# Altium PCB MU_MP_39_V1.PcbDoc (part 6 of 15)
Units mm, origin at the board's own origin, x right, y up, seen from the top; angles counter-clockwise.
Board outline 133 x 94 mm, 8 copper layers (Top Layer, GND_1, POWER_1, POWER_2, GND_2, Inner_Layer, GND_3, Bottom Layer), stack 1.468 mm thick; 934 components, 729 nets, 4006 pads, 2645 vias.
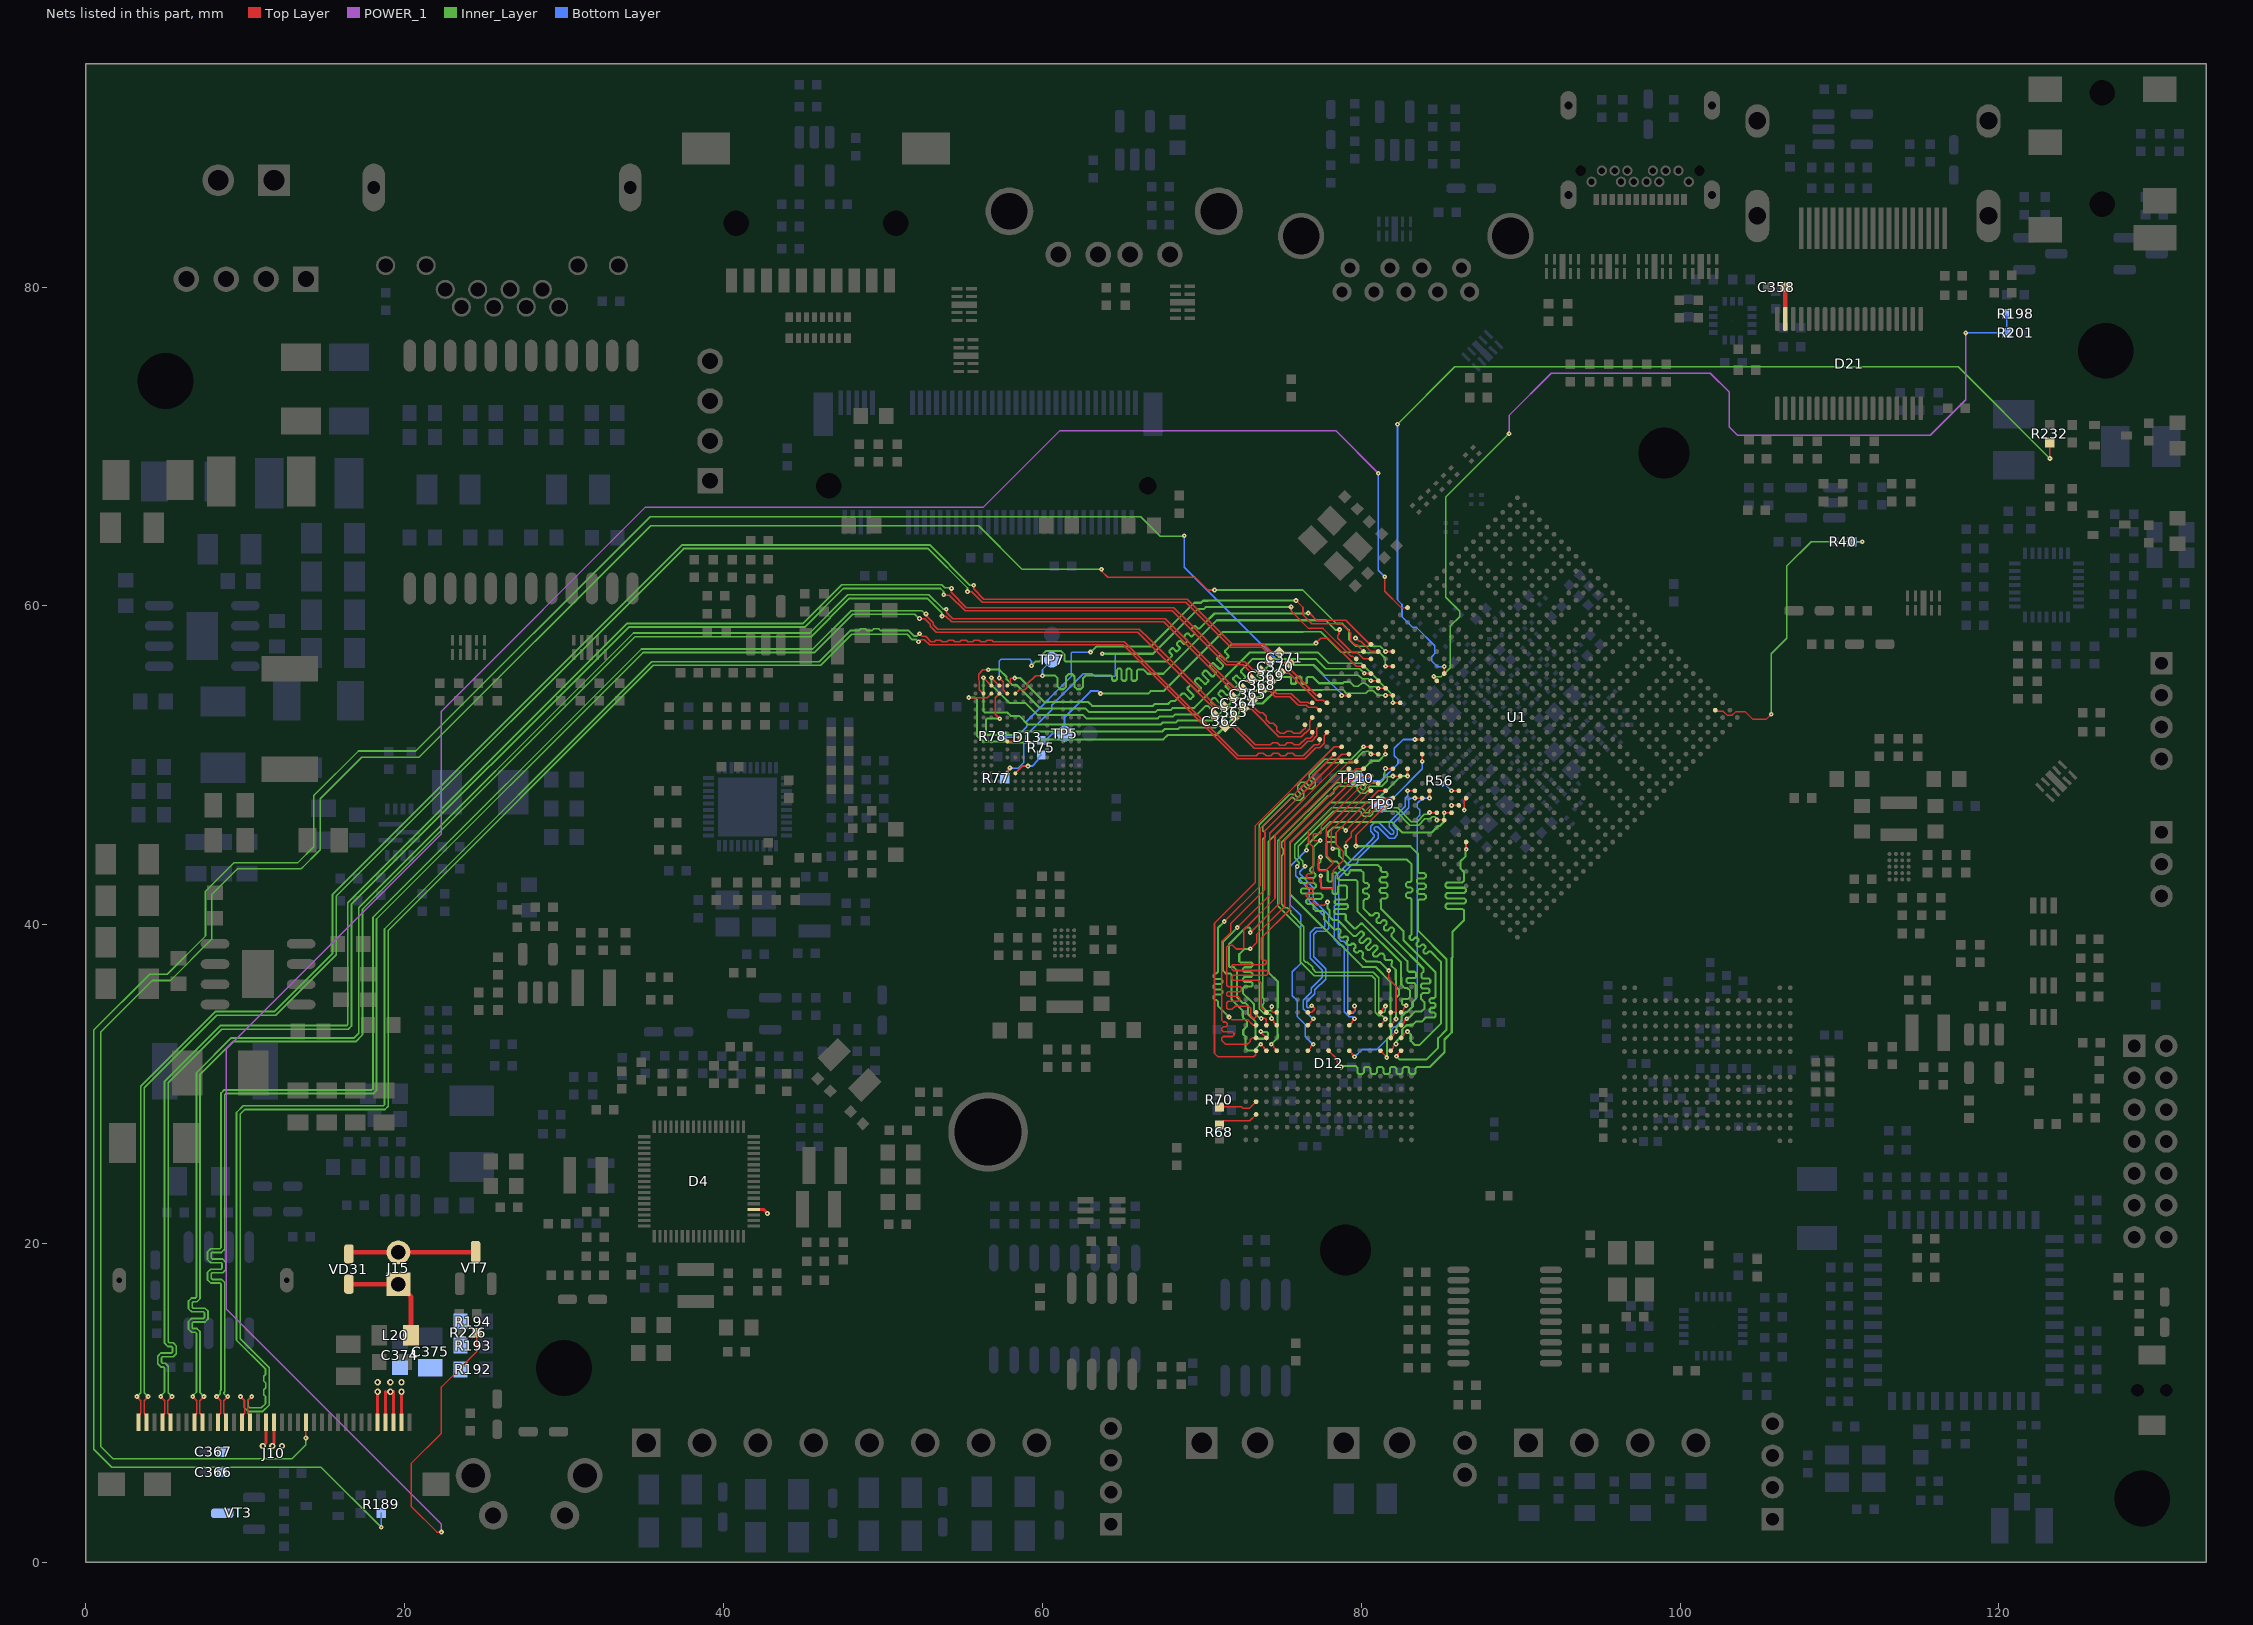
[diagram p12: the nets of this part, all layers, seen from the top]

## Via types
v1: diameter 0.3, hole 0.1, Top Layer to Bottom Layer, tented both sides, 1670 vias
v2: diameter 0.4, hole 0.2, Top Layer to Bottom Layer, tented both sides, 843 vias
v3: diameter 0.6, hole 0.3, Top Layer to Bottom Layer, tented both sides, 132 vias

## Nets (pads, with @x,y where several pads share a name; then routed paths per layer and width w, separated by ;. In a path a pad name is that pad's centre, name@x,y a point inside that pad or via, vN(x,y) a via of type N, cw(c..) or ccw(c..) an arc to the next point about the centre after c; other vN are vias at no path point) (continued)
DDR1_D16: D12.T8 U1.A19 | length 26.5
  Top Layer w0.1: v1(79.666,44.932) 79.675,44.941 79.675,45.618 81.527,47.47 U1.A19@81.527,47.485 ; v1@82.22,31.745 v1(82.205,31.745) 82.205,31.755 82.325,31.875 82.325,31.925 82.501,32.101 D12.T8@82.504,32.101
  Inner_Layer w0.13: v1@79.672,44.925 83.075,44.925 83.549,44.451 83.549,43.4 83.549,43.335 83.648,43.236 83.956,43.236 84.055,43.137 84.055,43.005 83.956,42.906 83.589,42.906 83.49,42.807 83.49,42.675 83.589,42.576 83.956,42.576 84.055,42.477 84.055,42.345 83.956,42.246 83.637,42.246 83.538,42.147 83.538,42.015 83.637,41.916 83.956,41.916 84.055,41.817 84.055,41.685 83.956,41.586 83.648,41.586 83.549,41.487 83.549,41.25 83.549,39.642 85.35,37.841 85.35,33.412 84.822,32.883 84.822,32.274 84.089,31.541 82.409,31.541 v1(82.205,31.745)
DDR1_D17: D12.T9 U1.B19 | length 26.6
  Top Layer w0.1: v1(79.047,44.903) 79.03,44.92 79.03,45.177 79.375,45.521 79.375,45.801 80.678,47.104 80.679,47.104 81.387,47.812 81.52,47.944 U1.B19@81.986,47.944 ; D12.T9@82.504,32.901 82.516,32.901 82.675,33.06 82.675,33.121 82.765,33.212 ; 82.766,33.212 82.851,33.297 v1(82.905,33.297)
  Inner_Layer w0.13: v1(79.047,44.903) 79.03,44.886 79.03,44.383 79.333,44.08 81.186,44.08 82.87,44.08 83.16,43.789 83.16,43.375 83.16,42.774 83.061,42.675 82.898,42.675 82.799,42.576 82.799,42.444 82.898,42.345 83.109,42.345 83.208,42.246 83.208,42.114 83.109,42.015 82.898,42.015 82.799,41.916 82.799,41.784 82.898,41.685 83.061,41.685 83.16,41.586 83.16,41.521 83.16,39.397 83.044,39.281 83.044,39.131 83.122,39.054 83.248,39.054 83.376,39.181 83.502,39.181 83.591,39.092 83.591,38.966 83.463,38.838 83.463,38.712 83.553,38.623 83.679,38.623 83.807,38.75 83.933,38.75 84.022,38.661 84.022,38.535 83.894,38.407 83.894,38.281 83.984,38.191 84.11,38.191 84.238,38.319 84.364,38.319 85,37.683 85,33.801 83.649,32.45 83.374,32.45 83.11,32.715 83.11,33.115 82.928,33.297 v1(82.905,33.297)
DDR1_D18: D12.T10 U1.A20 | length 26.8
  Top Layer w0.1: v1(79.03,45.907) U1.A20@81.067,47.944 ; D12.T10@82.504,33.701 82.512,33.701 82.7,33.889 82.7,33.942 82.855,34.097 v1(82.855,34.101)
  Inner_Layer w0.13: v1(79.03,45.907) 78.846,46.091 78.218,46.091 77.913,45.786 77.913,45.583 78.002,45.494 78.332,45.494 78.421,45.405 78.421,45.278 78.332,45.189 77.901,45.189 77.811,45.1 77.811,44.255 78.109,43.958 78.467,43.958 78.6,43.825 78.6,43.575 78.726,43.45 78.868,43.45 78.957,43.36 78.957,43.234 79.055,43.136 79.163,43.136 79.262,43.234 79.262,43.349 79.332,43.419 79.98,43.419 80.148,43.251 80.148,43.1 80.148,42.708 80.247,42.609 80.387,42.609 80.486,42.51 80.486,42.378 80.387,42.279 80.212,42.279 80.113,42.18 80.113,42.048 80.212,41.949 80.387,41.949 80.486,41.85 80.486,41.718 80.387,41.619 80.247,41.619 80.148,41.52 80.148,41.125 80.148,41.011 80.305,40.855 80.351,40.809 80.583,40.577 80.723,40.577 80.895,40.749 81.035,40.749 81.128,40.655 81.128,40.515 80.954,40.341 80.954,40.201 81.047,40.108 81.187,40.108 81.361,40.282 81.501,40.282 81.595,40.189 81.595,40.049 81.42,39.874 81.42,39.734 81.514,39.641 81.654,39.641 81.828,39.815 81.968,39.815 82.061,39.722 82.061,39.582 81.889,39.41 81.889,39.27 82.123,39.037 82.169,38.991 83.907,37.252 83.907,37.049 83.775,36.917 83.775,36.702 83.856,36.621 84.253,36.621 84.329,36.544 84.329,36.392 84.253,36.316 83.826,36.316 83.75,36.24 83.75,36.087 83.826,36.011 84.199,36.011 84.275,35.935 84.275,35.782 84.199,35.706 83.856,35.706 83.75,35.6 83.75,35.355 83.958,35.147 83.958,34.741 83.78,34.563 83.394,34.563 83.013,34.182 82.982,34.182 82.901,34.101 v1(82.855,34.101)
DDR1_D19: D12.T11 U1.B20 | length 26.7
  Top Layer w0.1: v1(77.456,43.069) 77.456,42.314 77.52,42.25 78.185,42.25 78.249,42.314 78.249,43.399 78.874,44.024 78.874,44.59 78.421,45.043 78.421,45.762 81.062,48.404 U1.B20@81.527,48.404 ; D12.T11@82.504,34.501 82.675,34.672 82.675,34.762 82.824,34.911 v1(82.824,34.927)
  Inner_Layer w0.13: v1(77.456,43.069) 77.456,42.68 77.489,42.647 77.489,42.376 77.568,42.298 78.124,42.298 78.202,42.219 78.202,42.001 78.279,41.925 78.45,41.925 78.55,42.025 78.55,42.394 78.626,42.47 79.024,42.47 79.1,42.394 79.1,41.667 79.024,41.591 78.431,41.591 78.342,41.502 78.342,41.376 78.431,41.286 79.099,41.286 79.175,41.21 79.175,41.1 79.07,40.995 78.409,40.995 78.33,40.917 78.33,40.751 78.406,40.675 78.954,40.675 79.03,40.599 79.03,40.295 79.55,39.775 79.675,39.775 79.963,40.063 80.071,40.063 82.495,37.639 82.495,36.689 82.51,36.673 82.51,36.256 82.742,36.024 82.905,36.024 83.07,35.86 83.07,35.479 82.942,35.351 82.626,35.351 82.55,35.274 82.55,35.033 82.626,34.957 82.794,34.957 v1(82.824,34.927)
DDR1_D20: D12.R8 U1.A21 | length 26.5
  Top Layer w0.1: v1(78.218,44.77) 78.111,44.877 78.111,45.907 78.116,45.912 80.151,47.947 U1.A21@80.608,48.404 ; D12.R8@81.854,32.101 81.854,32.114 82,32.26 82,32.341 v1(82.18,32.521)
  Inner_Layer w0.13: v1(78.218,44.77) 78.548,44.77 78.624,44.694 78.624,44.323 78.93,44.017 78.93,44.012 79.192,43.75 81.049,43.75 81.224,43.575 81.224,43.47 81.224,43.405 81.323,43.306 81.563,43.306 81.662,43.207 81.662,43.075 81.563,42.976 81.261,42.976 81.162,42.877 81.162,42.745 81.261,42.646 81.563,42.646 81.662,42.547 81.662,42.415 81.563,42.316 81.261,42.316 81.162,42.217 81.162,42.085 81.261,41.986 81.563,41.986 81.662,41.887 81.662,41.755 81.563,41.656 81.323,41.656 81.224,41.557 81.224,41.426 81.24,41.41 81.24,41.01 82.65,39.6 82.65,39.017 84.659,37.008 84.659,35.478 84.571,35.389 84.377,35.389 84.288,35.3 84.288,35.173 84.364,35.097 84.583,35.097 84.659,35.02 84.659,34.868 84.583,34.792 84.376,34.792 84.3,34.716 84.3,34.563 84.376,34.487 84.583,34.487 84.659,34.411 84.659,34.258 84.583,34.182 84.06,34.182 83.802,33.925 83.425,33.925 83.196,33.696 82.838,33.696 82.575,33.433 82.575,33.05 82.212,32.687 82.212,32.553 v1(82.18,32.521)
DDR1_D21: D12.R9 U1.B21 | length 26.8
  Top Layer w0.1: v1(77.45,44.25) 77.45,44.233 77.308,44.091 77.308,43.443 77.373,43.379 77.754,43.379 78.224,43.849 78.224,43.95 77.801,44.374 77.801,46.051 80.613,48.863 U1.B21@81.067,48.863 ; D12.R9@81.854,32.901 81.864,32.901 82.025,33.062 82.025,33.121 v1(82.205,33.301)
  Inner_Layer w0.13: v1(77.45,44.25) 77.45,43.95 77.328,43.828 77.328,43.501 77.405,43.425 77.824,43.425 77.9,43.349 77.9,42.776 77.976,42.7 78.129,42.7 78.205,42.776 78.205,43.21 78.282,43.286 78.389,43.286 78.51,43.165 78.51,42.929 78.639,42.8 79.68,42.8 79.775,42.705 79.775,40.825 82.891,37.709 82.891,37.15 82.993,37.049 83.348,37.049 83.445,36.952 83.445,36.743 83.361,36.659 82.916,36.659 82.84,36.583 82.84,36.43 82.916,36.354 83.324,36.354 83.4,36.278 83.4,35.326 83.247,35.173 83.247,34.883 82.877,34.512 82.78,34.512 82.525,34.257 82.525,33.85 82.205,33.53 v1(82.205,33.301)
DDR1_D22: D12.R10 U1.B22 | length 26.5
  Top Layer w0.1: v1(77.887,41.418) 77.684,41.214 77.202,41.214 76.998,41.418 76.998,41.55 76.998,41.6 76.908,41.69 76.659,41.69 76.569,41.78 76.569,41.9 76.659,41.99 76.913,41.99 77.003,42.08 77.003,42.2 76.913,42.29 76.659,42.29 76.569,42.38 76.569,42.5 76.659,42.59 76.913,42.59 77.003,42.68 77.003,42.8 76.913,42.89 76.659,42.89 76.569,42.98 76.569,43.1 76.659,43.19 76.908,43.19 76.998,43.28 76.998,43.7 76.998,44.872 76.694,45.177 76.694,45.855 80.162,49.323 U1.B22@80.608,49.323 ; D12.R10@81.854,33.701 82.025,33.872 82.025,33.925 v1(82.189,34.089)
  Inner_Layer w0.13: v1(77.887,41.418) 77.887,41.037 78,40.924 78,40.518 78.218,40.3 78.522,40.3 79.539,39.284 79.665,39.284 79.945,39.564 80.071,39.564 80.16,39.475 80.16,39.349 79.88,39.068 79.88,38.942 79.97,38.853 80.096,38.853 80.376,39.133 80.502,39.133 80.592,39.044 80.592,38.918 80.311,38.637 80.311,38.511 80.401,38.422 80.527,38.422 80.807,38.702 80.933,38.702 81.023,38.613 81.023,38.486 80.742,38.206 80.742,38.09 80.819,38.014 81.011,38.014 81.194,38.196 81.338,38.196 81.469,38.065 81.469,37.862 81.552,37.779 81.678,37.779 81.697,37.798 81.868,37.798 81.945,37.722 81.945,37.614 81.893,37.563 81.893,37.437 82.165,37.166 82.165,36.552 82.18,36.537 82.18,36.12 82.362,35.938 82.362,35.593 82.195,35.426 82.195,34.095 v1(82.189,34.089)
DDR1_D23: D12.R11 U1.A22 | length 26.5
  Top Layer w0.1: v1(77.43,45.278) 77.059,45.278 77,45.337 77,45.641 77.059,45.7 77.432,45.7 77.491,45.759 77.491,46.209 80.145,48.863 U1.A22@80.148,48.863 ; v1(81.725,37.125) 81.725,36.589 82.18,36.134 82.18,34.603 82.078,34.501 D12.R11@81.854,34.501
  Inner_Layer w0.13: v1(77.43,45.278) 77.405,45.278 76.998,44.872 76.998,43.8 76.998,43.698 76.899,43.599 76.896,43.599 76.797,43.5 76.797,43.368 76.896,43.269 77.027,43.269 77.126,43.17 77.126,43.038 77.027,42.939 76.21,42.939 76.111,42.84 76.111,42.708 76.21,42.609 77.06,42.609 77.159,42.51 77.159,42.378 77.06,42.279 76.313,42.279 76.214,42.18 76.214,42.048 76.313,41.949 77.473,41.949 77.572,41.85 77.572,41.718 77.473,41.619 76.652,41.619 76.553,41.52 76.553,41.388 76.652,41.289 76.899,41.289 76.998,41.19 76.998,41.125 76.998,41.011 77.142,40.867 77.583,40.867 77.67,40.78 77.67,40.34 78.138,39.872 78.184,39.826 78.301,39.709 78.441,39.709 78.474,39.742 78.614,39.742 78.707,39.649 78.707,39.509 78.628,39.429 78.628,39.289 78.721,39.196 78.861,39.196 78.941,39.275 79.081,39.275 79.174,39.182 79.174,39.042 79.094,38.962 79.094,38.822 79.188,38.729 79.328,38.729 79.407,38.809 79.547,38.809 79.641,38.715 79.641,38.575 79.561,38.496 79.561,38.356 79.654,38.262 79.794,38.262 79.874,38.342 80.014,38.342 80.107,38.249 80.107,38.109 80.074,38.075 80.074,37.935 80.308,37.702 80.326,37.684 80.381,37.684 81.033,37.684 81.042,37.675 81.175,37.675 v1(81.725,37.125)
DDR1_D24: D12.C11 U1.A23 | length 25.7
  Top Layer w0.1: D12.C11@74.055,34.501 73.738,34.818 73.738,36.325 73.544,36.519 71.969,36.519 71.883,36.605 71.883,36.738 71.969,36.824 74.052,36.824 74.154,36.925 74.154,37.027 74.052,37.129 71.969,37.129 71.875,37.223 71.875,37.426 71.934,37.484 73.95,37.484 74.05,37.584 74.05,37.718 73.991,37.777 73.812,37.777 73.747,37.841 73.747,39.182 75.511,40.946 75.511,45.136 U1.A23@79.688,49.313
DDR1_D25: D12.C10 U1.B23 | length 23.8
  Top Layer w0.1: v1(73.036,38.497) 73.061,38.497 73.437,38.872 73.437,39.38 75.201,41.144 75.201,45.293 79.691,49.783 79.843,49.783 U1.B23@80.148,49.783 ; v1(73.725,34.118) 73.732,34.125 73.981,34.125 74.04,34.066 74.04,33.716 D12.C10@74.055,33.701
  Inner_Layer w0.13: v1(73.036,38.497) 73.011,38.471 72.671,38.471 72.349,38.149 72.349,37.707 72.42,37.637 73.087,37.637 73.188,37.535 73.188,37.433 73.087,37.332 72.68,37.332 72.579,37.23 72.579,37.114 72.666,37.027 73.087,37.027 73.188,36.925 73.188,36.824 73.087,36.722 72.68,36.722 72.579,36.621 72.579,36.519 72.68,36.417 73.087,36.417 73.188,36.316 73.188,36.214 73.087,36.113 72.68,36.113 72.579,36.011 72.579,35.706 72.858,35.427 72.868,35.427 73.229,35.066 73.229,35.056 73.275,35.01 73.275,34.502 73.602,34.175 73.624,34.175 73.681,34.118 v1(73.725,34.118)
DDR1_D26: D12.C9 U1.A24 | length 23.8
  Top Layer w0.1: v1(73.036,39.505) 74.891,41.359 74.891,45.445 U1.A24@79.229,49.783 ; v1(73.705,33.301) 73.705,33.26 74.055,32.91 D12.C9@74.055,32.901
  Inner_Layer w0.13: v1(73.036,39.505) 73.05,39.519 73.05,39.749 72.974,39.825 72.764,39.825 71.699,38.76 71.699,37.411 71.77,37.34 72.009,37.34 72.199,37.15 72.199,35.451 72.553,35.097 72.731,35.097 72.899,34.929 72.899,34.401 73.375,33.925 73.375,33 73.525,32.85 74.073,32.85 74.149,32.926 74.149,33.198 74.072,33.275 73.731,33.275 v1(73.705,33.301)
DDR1_D27: D12.C8 U1.A25 | length 23.7
  Top Layer w0.1: v1(72.223,39.821) 74.271,41.869 74.271,45.744 U1.A25@78.769,50.242 ; v1(73.705,32.501) 73.9,32.306 73.9,32.26 74.055,32.105 D12.C8@74.055,32.101
  Inner_Layer w0.13: v1(72.223,39.821) 71.334,38.932 71.334,37.115 71.499,36.95 71.793,36.95 71.869,36.874 71.869,35.314 71.879,35.304 71.879,35.288 72.569,34.599 72.569,34.264 72.579,34.254 72.579,34.182 72.825,33.936 72.825,33.626 72.619,33.42 72.6,33.4 72.6,33.117 72.749,32.967 72.749,32.25 72.876,32.124 73.293,32.124 73.67,32.501 v1(73.705,32.501)
DDR1_D28: D12.B11 U1.B24 | length 25.8
  Top Layer w0.1: D12.B11@73.4,34.496 73.4,34.225 73.309,34.134 73.226,34.134 73.075,34.285 73.075,34.753 72.934,34.893 72.1,34.893 71.897,34.691 71.638,34.691 71.573,34.755 71.573,35.107 71.664,35.198 72.274,35.198 72.376,35.3 72.376,35.401 72.274,35.503 71.664,35.503 71.573,35.594 71.573,35.717 71.664,35.808 72.416,35.808 72.475,35.866 72.475,36.054 72.416,36.113 71.664,36.113 71.573,36.204 71.573,38.599 71.699,38.724 71.918,38.724 72.168,38.475 72.565,38.475 72.63,38.539 72.63,39.69 74.591,41.652 74.591,45.569 74.6,45.578 74.6,45.606 79.236,50.242 U1.B24@79.688,50.242
DDR1_D29: D12.B10 U1.A26 | length 23.7
  Top Layer w0.1: v1(71.41,40.198) 73.646,42.434 73.646,42.446 73.65,42.45 73.65,46 73.651,46.043 U1.A26@78.309,50.702 ; v1(71.715,34.204) 71.889,34.03 72.905,34.03 73.234,33.701 D12.B10@73.405,33.701
  Inner_Layer w0.13: v1(71.41,40.198) 71.004,39.792 71.004,37.125 71.004,37.038 70.905,36.939 70.838,36.939 70.739,36.84 70.739,36.708 70.838,36.609 71.182,36.609 71.281,36.51 71.281,36.378 71.182,36.279 70.838,36.279 70.739,36.18 70.739,36.048 70.838,35.949 71.182,35.949 71.281,35.85 71.281,35.718 71.182,35.619 70.838,35.619 70.739,35.52 70.739,35.388 70.838,35.289 70.905,35.289 71.004,35.19 71.004,35.125 71.004,34.915 v1(71.715,34.204)
DDR1_D30: D12.B9 U1.B25 | length 25.8
  Top Layer w0.1: D12.B9@73.405,32.901 73.155,32.901 73.036,32.782 73.036,32.68 72.856,32.5 71.489,32.5 71.263,32.726 71.263,32.903 71.347,32.987 71.931,32.987 72.02,33.076 72.02,33.203 71.931,33.292 71.347,33.292 71.263,33.376 71.263,33.498 71.36,33.594 71.512,33.594 71.593,33.675 71.593,33.819 71.512,33.899 71.36,33.899 71.263,33.996 71.263,38.963 71.817,39.516 71.817,40.071 73.95,42.205 73.95,45.876 78.776,50.702 U1.B25@79.229,50.702
DDR1_D31: D12.B8 U1.B26 | length 25.8
  Top Layer w0.1: D12.B8@73.405,32.101 73.391,32.087 73.391,31.841 73.265,31.715 71.01,31.715 70.799,31.926 70.799,40.095 73.341,42.637 73.341,46.191 78.312,51.162 U1.B26@78.769,51.162
DDR1_DM0: D12.L8 U1.E17 | length 20.1
  Top Layer w0.1: D12.L8@79.255,32.101 79.425,31.931 79.425,31.88 79.579,31.726 v1(79.579,31.722) ; U1.E17@84.285,48.404 84.285,47.949 v1(84.287,47.946)
  Bottom Layer w0.1: v1(79.579,31.722) 79.597,31.722 80.05,32.175 80.975,32.175 81.905,33.105 81.905,33.425 82.08,33.601 82.151,33.601 82.551,34.001 82.551,34.228 82.836,34.512 82.845,34.512 83.129,34.797 83.129,34.804 83.162,34.837 83.162,35.127 83.525,35.49 83.525,46.725 83.675,46.875 83.675,47.205 83.522,47.358 83.522,47.613 83.856,47.946 v1(84.287,47.946)
DDR1_DM1: D12.G8 U1.E14 | length 25.3
  Top Layer w0.1: D12.G8@76.655,32.101 76.825,32.272 76.825,32.341 76.984,32.5 v1(76.989,32.5) ; v1(85.206,47.027) 85.208,47.025 U1.E14@85.663,47.025
  Inner_Layer w0.13: v1(76.567,44.669) 76.567,44.948 78.068,46.45 81.923,46.45 82.586,45.786 84.415,45.786 84.822,46.193 84.923,46.193 85.206,46.475 v1(85.206,47.027)
  Bottom Layer w0.1: v1(76.567,44.669) 76.557,44.669 75.549,43.662 75.549,41.241 76.199,40.591 76.199,37.571 75.678,37.049 75.678,35.547 75.999,35.225 75.999,34.225 76.499,33.725 76.499,32.967 76.966,32.5 v1(76.989,32.5)
DDR1_DM2: D12.P8 U1.E20 | length 26.9
  Top Layer w0.1: D12.P8@81.205,32.101 81.606,31.699 v1(81.606,31.667) ; U1.E20@82.906,49.783 82.906,49.327 v1(82.908,49.325)
  Inner_Layer w0.13: v1(81.606,31.667) 81.606,32.806 81.875,33.075 81.875,33.42 81.85,33.445 81.85,36.4 80.896,37.354 80.096,37.354 75.525,41.925 75.525,45.15 78.03,47.655 80.805,47.655 82.475,49.325 v1(82.908,49.325)
DDR1_DM3: D12.D8 U1.E23 | length 23.8
  Top Layer w0.1: v1(74.355,32.501) 74.366,32.501 74.525,32.343 74.525,32.281 D12.D8@74.705,32.101 ; v1(81.52,50.692) 81.52,51.154 U1.E23@81.527,51.162
  Inner_Layer w0.13: v1(74.355,32.501) 74.355,32.514 74.763,32.922 74.763,33.147 74.74,33.171 74.74,34.793 74.763,34.817 74.763,36.439 74.175,37.027 74.175,45.198 78.588,49.611 79.981,49.611 80.656,50.286 81.113,50.286 v1(81.52,50.692)
DDR1_DQS0_N: D12.L11 U1.D17 | length 20.1
  Top Layer w0.08: D12.L11@79.255,34.501 79.478,34.501 79.58,34.603 v1(79.58,34.901) ; v1(83.368,47.946) U1.D17@83.823,47.946
  Bottom Layer w0.08: v1(79.58,34.901) 79.58,34.563 79.467,34.45 79.337,34.45 79.155,34.632 79.155,38.695 78.895,38.955 78.76,38.955 78.544,39.17 78.544,41.071 78.597,41.124 78.597,42.947 79.45,43.8 79.65,43.8 79.775,43.925 79.775,44.125 80.738,45.087 81.064,45.414 81.064,45.723 80.824,45.963 80.824,46.082 80.903,46.161 81.022,46.161 81.751,45.432 82.061,45.432 82.275,45.645 82.275,45.955 81.999,46.23 81.999,46.349 82.075,46.425 82.984,47.334 82.984,47.833 83.097,47.946 v1(83.368,47.946)
DDR1_DQS0_P: D12.L10 U1.D18 | length 20.1
  Top Layer w0.08: D12.L10@79.255,33.701 79.425,33.872 79.425,33.944 79.58,34.099 v1(79.58,34.101) ; v1(82.908,48.406) 82.91,48.404 U1.D18@83.365,48.404
  Bottom Layer w0.08: v1(79.58,34.101) 79.542,34.101 79.423,34.22 79.242,34.22 78.925,34.537 78.925,38.6 78.8,38.725 78.665,38.725 78.314,39.075 78.314,41.166 78.367,41.219 78.367,43.043 80.575,45.25 80.834,45.509 80.834,45.628 80.594,45.867 80.594,46.177 80.808,46.391 81.117,46.391 81.847,45.662 81.965,45.662 82.045,45.741 82.045,45.86 81.769,46.135 81.769,46.444 81.912,46.588 82.754,47.429 82.754,47.929 82.908,48.083 v1(82.908,48.406)
DDR1_DQS1_N: D12.G11 U1.D14 | length 25
  Top Layer w0.08: D12.G11@76.655,34.501 76.901,34.501 77.092,34.692 77.092,34.758 76.935,34.915 v1(76.897,34.915) ; v1(84.746,46.568) 84.754,46.575 85.194,46.575 U1.D14@85.204,46.565
  Inner_Layer w0.09: v1(76.482,43.667) 76.482,43.685 76.342,43.825 76.342,43.993 76.055,44.281 76.055,44.93 78.25,47.125 79.325,47.125 79.944,47.125 79.997,47.072 79.997,46.977 80.17,46.804 80.555,46.804 80.727,46.977 80.727,47.072 80.78,47.125 81.3,47.125 82.189,47.125 83.059,46.255 83.604,46.255 83.999,46.65 84.325,46.65 84.446,46.771 84.6,46.771 84.746,46.625 v1(84.746,46.568)
  Bottom Layer w0.08: v1(76.482,43.667) 76.13,43.315 76.13,43.184 76.98,42.334 76.98,41.57 77.955,40.595 77.955,39.777 77.773,39.595 77.22,39.595 77.03,39.405 77.03,37.99 77.775,37.245 77.775,36.596 77.091,35.912 77.091,35.666 76.58,35.155 76.58,34.863 76.649,34.793 76.716,34.793 76.837,34.915 v1(76.897,34.915)
DDR1_DQS1_P: D12.G10 U1.D15 | length 25.1
  Top Layer w0.08: D12.G10@76.655,33.701 76.825,33.871 76.825,33.929 v1(76.998,34.102) ; v1(84.288,47.035) 84.293,47.03 84.72,47.03 84.744,47.005 U1.D15@84.744,47.025
  Inner_Layer w0.09: v1(75.982,43.653) 75.982,43.671 76.122,43.811 76.122,43.902 75.835,44.19 75.835,45.021 78.159,47.345 79.325,47.345 80.036,47.345 80.217,47.163 80.217,47.068 80.261,47.024 80.464,47.024 80.507,47.068 80.507,47.163 80.689,47.345 81.3,47.345 82.28,47.345 83.15,46.475 83.513,46.475 83.963,46.925 84.13,46.925 84.24,47.035 v1(84.288,47.035)
  Bottom Layer w0.08: v1(75.982,43.653) 75.982,43.593 75.9,43.511 75.9,43.088 76.75,42.238 76.75,41.474 77.725,40.499 77.725,39.872 77.678,39.825 77.125,39.825 76.8,39.5 76.8,37.895 77.545,37.15 77.545,36.691 76.861,36.007 76.861,35.762 76.35,35.25 76.35,34.725 76.973,34.102 v1(76.998,34.102)
DDR1_DQS2_N: D12.P11 U1.D20 | length 26.7
  Top Layer w0.08: D12.P11@81.205,34.501 81.205,34.512 81.35,34.658 81.35,34.724 v1(81.52,34.893) ; v1(81.989,49.325) U1.D20@82.444,49.325
  Inner_Layer w0.09: v1(81.52,34.893) 81.52,34.589 81.451,34.52 81.188,34.52 81.113,34.596 81.113,36.662 80.75,37.025 77.15,37.025 76.95,37.225 76.95,37.325 76.625,37.65 76.525,37.65 76.406,37.769 76.406,39.869 75.6,40.675 75.568,40.707 75.568,40.865 75.356,41.077 75.198,41.077 75.138,41.138 75,41.275 75,44.275 75,44.32 75.118,44.438 75.118,44.738 75,44.855 75,44.9 75,45.175 77.85,48.025 77.903,48.078 78.073,48.078 78.285,48.29 78.285,48.46 78.375,48.55 78.525,48.7 79.047,48.7 79.666,48.7 79.753,48.613 79.753,48.466 79.969,48.25 80.268,48.25 80.483,48.466 80.483,48.613 80.57,48.7 80.725,48.7 81.299,48.7 81.625,49.026 81.625,49.297 81.912,49.297 81.94,49.325 v1(81.989,49.325)